# KiCad board raven.kicad_pcb (continued)
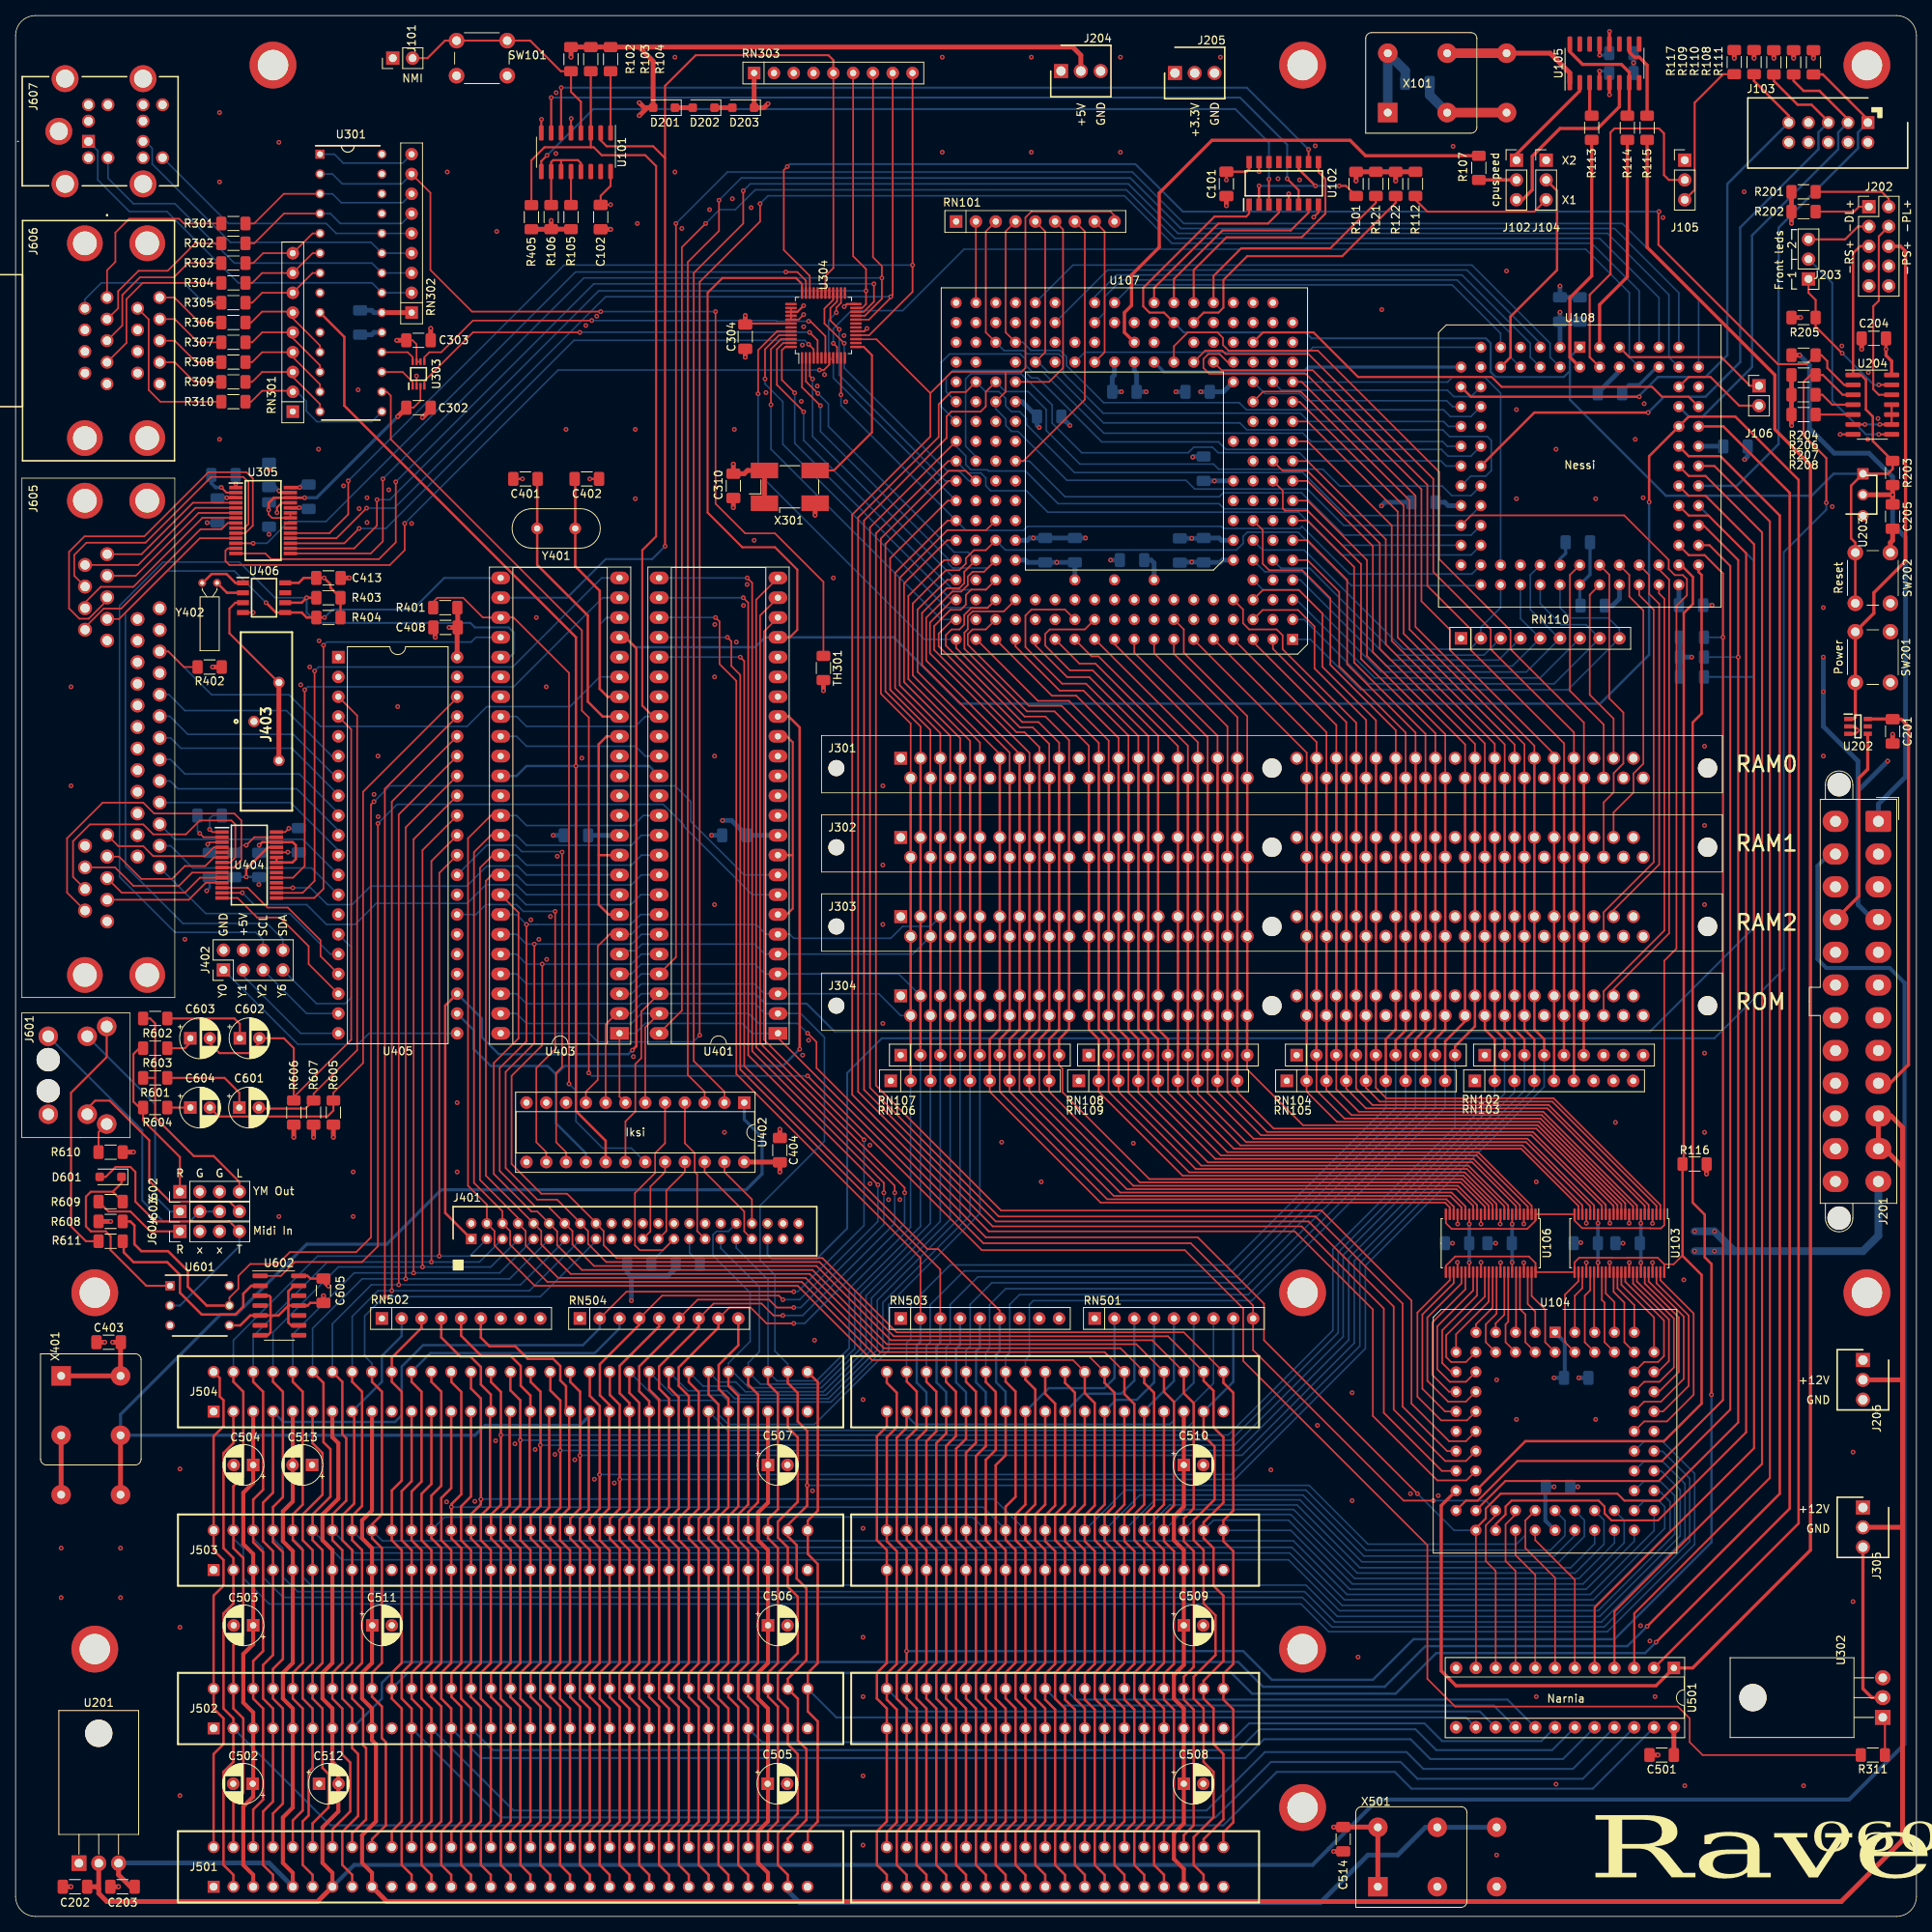
[diagram p0: board, top side]
## Routing (per net, layer and track width the routed paths; a pad name or vN(x,y) marks a point on that pad's centre or on a via; arc(x,y) is an arc through that point) (continued)
  Top w0.305: 36.26,82.17 37.46,82.17 37.81,81.83 C605.1 ; 34.59,171.07 36.32,171.07 36.96,171.7 C413.2 v1(39.57,171.7) 40.39,170.89 40.39,170.46 R403.1 R404.1 ; v1(31.24,137.41) 31.63,137.8 U404.26 35.56,137.8 35.94,137.41 35.94,135.64 35.5,135.2 U404.22 U404.23
  Top w0.406: U204.14 240.66,199.52 239.94,200.24 C204.1
  Top w0.508: J501.78 149.86,6.1 148.59,7.37 148.59,10.67 149.86,11.94 J502.78 149.86,26.67 148.59,27.94 148.59,30.99 149.86,32.26 J503.78 149.86,46.99 148.59,48.26 148.59,51.31 149.86,52.58 J504.78 ; J501.29 96.52,5.59 95.25,6.86 95.25,10.92 96.52,12.19 J502.29 96.52,26.67 95.25,27.94 95.25,31.24 96.52,32.51 J503.29 96.52,46.99 95.25,48.26 95.25,51.82 96.52,53.09 J504.29 ; J501.3 30.48,5.33 29.21,6.6 29.21,14.1 30.48,15.37 J502.3 30.48,26.16 29.21,27.43 29.21,33.66 30.48,34.93 J503.3 30.48,46.48 29.21,47.75 29.21,54.36 30.48,55.63 J504.3
  Top w0.61: R608.2 v1(12.19,89.15) ; v1(40.13,80.88) 39.5,81.51 C605.1 ; R106.1 68.7,216.43 R405.1 ; R106.1 v1(68.71,217.55) ; R106.1 R105.1 ; X501.8 X501.1 ; R401.1 56.72,167.84 C408.1 ; U301.20 RN302.1 ; v1(227.84,191.26) 227.81,191.29 R208.2 R207.2 R206.2 ; U402.24 98.01,96.77 C404.1 v1(98.04,95.5) ; D201.2 81.03,232.03 v1(80.01,231.01) ; D201.2 80.65,232.03 v1(80.01,232.66) ; D201.2 81.78,238 79.98,239.8 ; v1(48.9,202.18) C303.1 50.16,202.22 ; v1(169.09,11.46) 169.1,11.47 C514.2 174.84,11.47 174.88,11.43 ; U405.40 56.64,165.32 56.6,165.35 v1(55.63,165.35) ; 79.98,239.8 R104.1 R103.1 R102.1 v1(71.25,238.51) ; 79.98,239.8 135.61,239.8 136.65,238.76 136.65,236.6 ; R402.1 v1(25.27,160.27) ; 13.87,98.04 v1(15.12,98.04) ; C501.1 U501.24 ; X401.1 X401.8 13.46,73.62 C403.2 v1(12.45,73.66) ; v1(227.81,217.2) R202.1 R201.1 ; R205.2 v1(228.98,205.11)
  Bottom w0.305: v1(31.24,137.41) C407.1
  Bottom w0.406: C128.2 201.97,172.12 U108.43 200.66,168.24 C126.2
  Bottom w0.508: v1(197.36,69.09) C103.1 198.73,69.19 198.73,73.69 U104.1 ; v1(197.36,55.12) C104.1 196.24,55.05 196.24,50.77 U104.35
  Bottom w0.61: 78.99,82.04 83.57,82.04 84.68,83.16 R407.1 ; 78.99,82.04 v1(78.99,78.99) ; 78.99,82.04 78.46,82.58 R406.1 ; J201.4 238.26,127.88 236.35,129.79 236.35,144.4 ; U108.3 C125.2 ; C125.2 v1(198.12,205.79) ; C125.2 C127.2 ; U401.11 C405.2 91.86,140.59 v1(90.68,140.59) ; C406.2 U403.11 ; C301.2 45.68,206.03 45.97,205.74 U301.20 ; 236.35,144.4 236.35,148.21 231.9,152.65 v1(231.9,157.1) v1(231.9,161.54) ; 236.35,144.4 v1(240.16,148.21) ; R118.1 R119.1 ; R119.1 v1(215.01,161.54) ; R119.1 R120.1 ; 50.79,205.73 RN302.1
  vias: v1(239.94,201.04)
+5VL: length 52.4
  Top w0.203: 240.77,153.6 C201.1
  Top w0.406: U202.6 240.77,153.6 ; C201.1 241.9,153.58 242.82,152.65 242.82,109.25 240.45,106.88
+12V: length 378.5
  Top w0.508: J501.9 45.72,5.59 44.45,6.86 44.45,10.41 46.23,12.19 46.23,22.1 45.72,22.61 J502.9 45.72,26.67 44.45,27.94 44.45,31.24 45.72,32.51 J503.9 45.72,47.24 44.45,48.51 44.45,50.8 45.72,52.07 J504.9
  Top w0.61: 242.06,68.83 242.06,9.78 234.19,1.91 47.62,1.91 J501.9 ; 242.06,68.83 242.06,96.14 ; 242.06,68.83 J206.2 ; 242.06,96.14 242.06,101.22 240.6,102.68 J201.10 J201.11 239.72,98.48 242.06,96.14 ; 236.85,49.91 241.93,49.91
-5V: length 91.9
  Top w0.508: J504.5 35.56,53.24 34.29,51.97 34.29,48.13 35.56,46.86 J503.5 35.56,32.51 34.29,31.24 34.29,27.94 35.56,26.67 J502.5 35.56,13.97 34.29,12.7 34.29,6.86 35.56,5.59 J501.5
  Top w0.61: U201.3 13.21,5.33 14.73,3.81 C203.1
  Bottom w0.61: U201.3 13.24,6.86 32.51,6.86 J501.5
-12V: length 436.3
  Top w0.508: J504.7 40.64,61.47 41.4,60.71 41.4,53.59 39.37,51.56 39.37,48.26 40.64,46.99 J503.7 40.64,32.51 39.37,31.24 39.37,27.94 40.64,26.67 J502.7 40.64,19.81 41.4,19.05 41.4,13.46 39.37,11.43 39.37,6.86 40.64,5.59 J501.7
  Top w0.61: 10.67,3.56 10.67,2.96 11.72,1.91 38.74,1.91 J501.7 ; 10.67,3.56 U201.2 ; 10.67,3.56 10.41,3.81 C202.1
  Bottom w0.508: J201.14 232.67,136.28 231.14,134.75 231.14,122.81 232.28,121.67 240.41,121.67 242.32,119.76 242.32,22.1 235.2,14.99 174.74,14.99 168.38,8.62 168.38,8.62 166.37,6.6 43.43,6.6 J501.7
GND: length 213.3
  Top w0.203: U303.2 51.44,197.61 v1(51.43,197.61) ; v1(184.96,83.9) 184.98,83.88 U106.28 ; U103.4 209.99,88.91 v1(209.98,88.9) ; v1(207.01,83.87) 206.99,83.85 U103.39 ; v1(204.52,88.92) 204.49,88.95 U103.15 ; v1(190.5,83.87) 190.48,83.85 U106.39 ; v1(187.99,83.9) 187.98,83.89 U106.34 ; v1(206.98,88.92) 206.99,88.93 U103.10 ; U103.34 204.49,83.87 v1(204.5,83.87) ; U103.28 201.49,83.86 v1(201.5,83.87) ; U106.45 193.48,83.86 v1(193.47,83.87) ; U103.21 201.49,88.93 v1(201.5,88.93) ; U304.38 U304.39 U304.40 U304.41 100.44,204.84 v1(101.09,205.49) ; U103.45 209.99,83.86 v1(209.98,83.87) ; v1(193.48,88.84) U106.4 ; v1(190.45,88.82) 190.48,88.85 U106.10 ; U106.21 184.98,88.83 v1(184.99,88.82) ; v1(187.98,88.82) U106.15
  Top w0.254: U304.24 106.64,206.84 v1(106.3,206.5) ; U102.15 v1(159.51,223.82) ; 235.72,190.12 v1(234.06,190.12) ; U304.39 100.3,205.84 v1(101.09,206.63) ; U101.5 71.25,230.61 v1(71.27,230.63) ; U406.4 v1(30.48,167.26) ; U304.17 108.85,203.34 v1(109.22,203.71) ; v1(33.53,180.09) 33.53,180.73 34.14,181.35 U305.25 35.25,181.35 ; v1(67.46,230.53) 67.44,230.51 U101.8 ; v1(166.52,217.98) 167.13,218.59 U102.8
  Top w0.305: 36.32,75.82 35.35,75.82 34.99,76.17 34.99,78.36 ; 34.99,78.36 33.72,77.09 32.7,77.09 ; 34.99,78.36 34.99,80.2 35.69,80.9 U602.13 ; 34.99,78.36 U602.11 37.46,78.36 37.81,78.7 C605.2 ; v1(204.47,241.81) 204.46,241.8 ; 27.43,75.82 28.83,75.82 30.1,77.09 U602.5 32.7,77.09 ; C401.1 v1(65.02,184.4) ; 32.7,77.09 32.7,79.44 32.51,79.63 U602.3 ; 32.7,77.09 32.7,74.9 32.35,74.55 U602.7 ; v1(29.59,133.35) 29.59,134.37 32.37,137.15 U404.25 ; v1(163.32,220.98) U102.5 ; v1(204.47,233.68) 204.46,233.69 ; C402.1 v1(73.66,184.4)
  Top w0.406: 204.46,241.8 U105.12 ; U202.3 235.91,151.7 236.22,152.02 v1(236.22,152.15) 236.22,152.27 235.84,152.65 U202.2 ; 204.46,233.69 U105.5
  Top w0.61: TH301.2 v1(103.63,157.25) ; X401.4 X401.4 ; v1(236.82,201.04) C204.2 ; v1(39.5,79.63) C605.2 ; C101.2 v1(155.32,219.46) ; C302.1 53.25,193.33 v1(52.2,192.28) ; v1(53.85,164.08) 53.81,164.12 53.81,165.35 ; R605.2 v1(40.77,99.95) ; C201.2 v1(240.79,151.64) ; SW202.2 240.5,176.24 240.79,176.53 C205.2 ; v1(102.56,179.76) X301.2 ; C203.2 v1(13.21,3.81) ; v1(169.09,8.33) 169.1,8.34 C514.1 ; C501.2 v1(210.69,20.7) ; C310.2 v1(92.07,180.72) ; v1(76.33,216.41) 76.3,216.43 C102.2 ; v1(11.43,73.66) C403.1 ; C413.1 v1(42.82,171.7) ; C404.2 v1(98.04,100.97) ; 93.6,200.96 v1(93.6,200.03) ; C202.2 v1(7.11,3.81) ; R607.2 v1(38.23,99.95) ; R606.2 v1(35.69,99.95) ; v1(53.25,203.71) C303.2
  Top w1.219: X101.4 X101.4
  Bottom w0.203: 31.2,133.35 C407.2 ; 28.11,133.35 C410.2
  Bottom w0.305: 207.05,238.51 C111.1 207.56,238.72 ; v1(24.51,131.57) 24.89,131.95 C412.2 ; v1(31.2,132.37) 31.2,133.35 v1(29.59,133.35) 28.11,133.35
  Bottom w0.406: C128.1 198.84,174.87 198.12,174.14 U108.42
  Bottom w0.457: v1(32.51,177.29) C305.2 ; 199.86,86.44 v1(200.79,86.44) ; C307.2 v1(32.51,185.57) ; 183.36,86.36 v1(184.33,86.36) ; v1(24.56,178.79) 24.57,178.78 C309.2 ; 205.28,86.36 v1(206.2,86.36) ; 188.94,86.36 v1(189.86,86.36)
  Bottom w0.61: C301.1 45.68,202.91 45.97,203.2 U301.19 ; C406.1 v1(68.96,138.68) ; v1(198.12,209.14) C125.1 C127.1 ; v1(135.25,191.26) 134.15,192.37 C114.1 ; v1(137.25,176.82) C119.1 C115.1 v1(130.56,176.82) 130.09,176.82 129.79,176.53 U107.F15 ; U108.82 205.74,198.22 202.97,195.45 C124.1 ; 207.56,238.72 v1(207.56,237.79) C110.1 ; C122.1 175.67,181.41 v1(175.21,180.95) ; C117.1 v1(140.46,173.99) ; C126.1 204.85,168.15 205.74,169.04 U108.47 ; C412.2 C410.2 ; C120.1 v1(150.88,176.78) 152.36,176.78 C113.1 154.39,176.82 154.69,176.53 U107.F04 ; v1(145.03,195.58) C116.1 143.8,197.95 143.51,198.25 U107.Q09 ; C118.1 151.08,187.28 v1(151,187.2) ; C405.1 v1(89.28,138.68) ; C104.2 v1(200.41,55.12) ; C121.1 v1(217.63,168.2) ; C123.1 222.19,187.29 v1(221.79,186.89) ; C112.1 v1(148.84,195.58) ; C103.2 v1(200.53,69.09)
  Bottom w1.219: C108.1 181.39,233.64 X101.4
  vias: v1(5.84,47.24) v1(5.84,40.89) v1(7.11,157.73) v1(7.11,145.03) v1(13.46,47.24) v1(13.46,40.89) v1(21.08,57.4) v1(21.08,37.08) v1(21.08,15.49) v1(21.72,125.35) v1(26.16,231.39) v1(26.16,222.5) v1(26.16,189.48) v1(33.78,227.58) v1(33.78,89.79) v1(36.58,157.99) v1(37.74,160.28) v1(38.86,188.21) v1(38.93,163.64) v1(42.07,183.52) v1(43.31,95.5) v1(43.31,89.79) v1(43.94,195.83) v1(44.07,180.59) v1(45.09,181.99) v1(45.09,178.82) v1(45.97,143.94) v1(46.48,148.84) v1(46.5,141.08) v1(47.88,183.01) v1(49.02,155.19) v1(50.8,178.69) v1(55.29,53.18) v1(55.37,223.77) v1(56.64,104.39) v1(56.64,95.5) v1(58.91,53.25) v1(61.57,61.02) v1(61.72,216.15) v1(64.06,60.63) v1(66.1,127.85) v1(66.65,59.89) v1(66.8,166.62) v1(67.13,125.33) v1(68.07,157.73) v1(68.13,122.77) v1(68.61,128.27) v1(69.19,59.26) v1(69.35,233.95) v1(69.3,226.15) v1(69.49,136) v1(70.61,190.75) v1(71.73,58.58) v1(72.64,148.59) v1(73.15,204.09) v1(74.25,56.08) v1(74.55,205.28) v1(76.8,55.6) v1(79.25,110.3) v1(79.5,190.75) v1(79.5,181.86) v1(79.76,217.17) v1(84.58,238.51) v1(84.58,223.77) v1(85.47,216.54) v1(89.03,218.95) v1(89.69,165.74) v1(89.66,159) v1(89.66,148.84) v1(89.66,129.79) v1(90.93,100.58) v1(91.95,220.35) v1(92.2,190.75) v1(92.46,163.47) v1(93.38,168.17) v1(93.84,170.86) v1(94.36,219.2) v1(94.74,176.53) v1(96.27,195.48) v1(100.79,194.36) v1(100.93,201.58) v1(100.97,110.49) v1(101.09,203.93) v1(101.73,112.4) v1(102.23,54.6) v1(102.49,73.91) v1(102.84,196.31) v1(103.77,197.78) v1(104.9,171.7) v1(106.27,202.79) v1(106.49,194.31) v1(108.71,66.29) v1(108.71,49.78) v1(108.71,35.81) v1(108.71,28.19) v1(108.71,18.03) v1(108.71,9.14) v1(109.6,98.93) v1(109.62,94) v1(111.25,145.03) v1(111.25,134.87) v1(111.25,127.25) v1(111.25,114.55) v1(111.98,91.95) v1(113.44,91.95) v1(118.87,238.51) v1(118.87,226.31) v1(126.49,99.31) v1(130.3,238.51) v1(130.3,226.31) v1(131.57,94.23) v1(141.73,238.51) v1(141.73,226.31) v1(143.38,99.19) v1(154.56,238.51) v1(161.04,57.28) v1(161.95,222.91) v1(164.72,222.76) v1(166.73,227.13) v1(167,62.99) v1(171.45,67.18) v1(171.45,53.34) v1(172.21,33.27) v1(175.26,206.12) v1(178.94,54.23) v1(182.5,53.98) v1(184.4,227.08) v1(189.99,68.83) v1(189.99,7.87) v1(191.26,211.07) v1(192.53,193.29) v1(192.53,181.86) v1(192.53,63.75) v1(195.07,94.23) v1(195.07,28.19) v1(197.61,188.21) v1(197.61,16.96) v1(202.69,181.86) v1(202.69,63.75) v1(205.23,101.85) v1(207.77,189.48) v1(208.45,37.29) v1(208.79,181.99) v1(208.91,194.06) v1(209.65,35.33) v1(210.31,28.19) v1(211.33,217.93) v1(214,81.66) v1(214.12,16.76) v1(216.66,150.11) v1(216.66,139.95) v1(216.66,129.79) v1(216.66,110.74) v1(216.66,100.58) v1(221.74,221.23) v1(229.36,16.76) v1(231.9,167.89) v1(231.9,148.84) v1(233.04,180.85) v1(234.28,201.46) v1(235.71,59.56) v1(235.71,40.39) v1(237.6,189.49) v1(237.67,198.06) v1(238.91,192.16) v1(239.52,5.33)
68150:CLK: length 268.9
  Top w0.406: U104.24 182.88,52.71 182.88,31.5 184.78,29.59 210.44,29.59 U501.1 215.14,31.88 230.25,46.99 230.25,186.18 225.68,190.75 225.68,197.74 209.3,214.12 209.3,227.9
68150:LR~{W}: length 18.7
  Top w0.203: U501.8 194.94,43.82 192.41,46.36 U104.31
68150:R~{W}: length 172.9
  Top w0.203: v1(181.86,53.34) 178.05,53.34 158.75,72.64 RN501.9 158.75,78.36 150.75,86.36 124.14,86.36 97.79,112.71 U401.1 ; U104.30 189.86,51.44 188.59,50.17 188.59,45.59 189.86,44.32 U501.10 ; U402.7 77.47,105.16 U403.1
  Bottom w0.203: U104.30 188.59,53.34 v1(181.86,53.34) ; U403.1 79.5,113.28 80.77,114.55 93.22,114.55 94.49,113.28 U401.1
68150:UR~{W}: length 21.8
  Top w0.203: 191.9,52.07 U104.32 192.41,51.56 191.13,50.29 191.13,45.59 192.41,44.32 U501.9
68150:~{CS}: length 180.7
  Top w0.203: 211.49,83.66 210.65,84.5 206.75,84.5 206.73,84.48 204.78,84.48 204.76,84.5 200.58,84.5 199.99,83.91 U103.25 U106.48 194.98,83.81 194.13,84.66 184.68,84.66 183.48,83.46 U106.25 ; 211.49,83.66 212.69,83.66 213.84,84.81 213.84,85.32 ; 211.49,83.66 U103.48
  Top w0.305: U108.55 213.64,173.36 215.16,171.83 215.16,168.36 214,167.2 214,96.67 R116.2 213.84,84.74 216.28,82.3 216.28,65.79 211.45,60.96 193.67,60.96 U104.25
68150:~{DSACK0}: length 151.4
  Top w0.254: U104.28 191.11,55.85 210.79,55.85 219.96,65.02 219.96,173.23 217.3,175.9 215.9,175.9
68150:~{DSACK1}: length 164.9
  Top w0.254: U104.29 189.86,50.29 191.13,51.56 191.13,52.58 191.9,53.34 203.07,53.34 203.83,52.58 203.83,51.69 204.72,50.8 210.69,50.8 222,62.1 222,174.88 217.17,179.71 214.63,179.71 U108.61
68150:~{DS}: length 351.1
  Top w0.203: U402.6 80.77,114.04 U401.47 ; U104.27 U501.11 ; v1(101.6,113.28) 101.62,113.28 102.74,112.16 102.74,108.84 124.46,87.12 151.64,87.12 160.15,78.61 160.15,73.91 v1(179.83,54.23)
  Top w0.254: U108.58 216.53,178.44 220.98,173.99 220.98,63.37 210.95,53.34 206.38,53.34 205.49,54.23 190.5,54.23 188.59,52.32 188.59,51.05 187.32,49.78 U104.27
  Bottom w0.203: v1(220.98,161.54) R119.2 ; v1(101.6,113.28) 100.33,114.55 95.32,114.55 94.05,115.82 U401.47 80.27,115.82 78.99,114.54 65.54,114.54 64.26,115.82 U403.47 ; U104.27 184.53,49.53 v1(179.83,54.23)
68150:~{TA}: length 155.7
  Top w0.254: 213.36,175.9 214.63,174.63 216.66,174.63 219.02,172.26 219.02,66.24 211.2,58.42 192.66,58.42 187.58,53.34 186.05,53.34 U104.26
  Bottom w0.203: v1(219.02,164.08) R118.2
/ICLK_X1_2: length 15.4
  Top w0.406: U105.16 199.38,239.21 201.01,237.58 205.99,237.58 207,236.57 U105.7 207,231.25 R114.2
/ICLK_X1_3: length 10.5
  Top w0.406: U105.10 207,239.18 207.67,238.51 208.28,238.51 209.3,237.49 R115.2
/ICLK_X2_2: length 4.3
  Top w0.406: U105.3 201.92,231.26 R113.2
/ISA/ISA:AEN: length 94.2
  Top w0.305: J501.42 50.8,10.92 52.07,12.19 52.07,26.67 50.8,27.94 J502.42 50.8,31.24 52.07,32.51 52.07,46.99 50.8,48.26 50.8,54.51 52.07,55.78 52.07,67.31 50.8,68.58 J504.42
  Bottom w0.305: 77.47,76.53 77.47,75.44 74.29,72.26 53.21,72.26 J504.42
/ISA/ISA:DACK0: length 85
  Top w0.305: J504.70 129.54,52.83 128.27,51.56 128.27,48.26 129.54,46.99 J503.70 129.54,32.51 128.27,31.24 128.27,27.94 129.54,26.67 J502.70 129.54,12.19 128.27,10.92 128.27,6.6 129.54,5.33 J501.70
  Bottom w0.305: J504.70 132.54,67.77 139.67,67.77 140.97,69.06 RN501.2
/ISA/ISA:DACK1: length 81.9
  Top w0.305: RN502.5 57.15,74.5 59.79,71.86 63.55,71.86 64.8,70.61 64.8,68.07 66.04,66.83 J504.17 65.94,64.67 65.94,52.53 64.77,51.36 64.77,48.26 66.04,46.99 J503.17 66.04,32.51 64.77,31.24 64.77,27.94 66.04,26.67 J502.17 66.04,12.19 64.77,10.92 64.77,6.6 66.04,5.33 J501.17
/ISA/ISA:DACK2: length 142.1
  Top w0.305: J501.26 88.9,5.33 87.63,6.6 87.63,10.92 88.9,12.19 J502.26 88.9,26.67 87.63,27.94 87.63,31.24 88.9,32.51 J503.26 88.9,46.99 87.63,48.26 87.63,51.05 88.9,52.32 J504.26
  Bottom w0.203: J504.26 91.31,62.36 149.99,62.36 151.13,63.5 151.13,65.85 153.67,68.39 RN501.7
/ISA/ISA:DACK3: length 79.4
  Top w0.305: RN502.4 54.61,74.27 57.05,71.83 58.34,71.83 59.69,70.49 59.69,68.22 60.96,66.95 J504.15 60.86,64.67 60.86,52.6 59.69,51.44 59.69,48.26 60.96,46.99 J503.15 60.96,32.51 59.69,31.24 59.69,27.94 60.96,26.67 J502.15 60.96,12.19 59.69,10.92 59.69,6.6 60.96,5.33 J501.15
/ISA/ISA:DACK5: length 82.6
  Top w0.305: J504.72 134.62,52.83 133.35,51.56 133.35,48.26 134.62,46.99 J503.72 134.62,32.51 133.35,31.24 133.35,27.94 134.62,26.67 J502.72 134.62,12.19 133.35,10.92 133.35,6.6 134.62,5.33 J501.72
  Bottom w0.305: J504.72 134.7,64.77 136.98,67.06 141.83,67.06 143.51,68.73 RN501.3
/ISA/ISA:DACK6: length 80.2
  Top w0.305: J504.74 139.7,52.83 138.43,51.56 138.43,48.26 139.7,46.99 J503.74 139.7,32.51 138.43,31.24 138.43,27.94 139.7,26.67 J502.74 139.7,12.19 138.43,10.92 138.43,6.6 139.7,5.33 J501.74
  Bottom w0.305: RN501.4 146.05,68.5 143.81,66.27 141.17,66.27 139.7,64.8 J504.74
/ISA/ISA:DACK7: length 77.6
  Top w0.305: J501.76 144.78,5.33 143.51,6.6 143.51,10.92 144.78,12.19 J502.76 144.78,26.67 143.51,27.94 143.51,31.24 144.78,32.51 J503.76 144.78,46.99 143.51,48.26 143.51,51.56 144.78,52.83 J504.76
  Bottom w0.305: J504.76 144.78,64.87 148.59,68.68 RN501.5
/ISA/ISA:DRQ0: length 64.1
  Top w0.305: J501.71 132.08,5.33 130.81,6.6 130.81,10.92 132.08,12.19 J502.71 132.08,26.67 130.81,27.94 130.81,31.24 132.08,32.51 J503.71 132.08,46.99 130.81,48.26 130.81,51.56 132.08,52.83 J504.71
/ISA/ISA:DRQ1: length 64.1
  Top w0.305: J501.18 68.58,5.33 67.31,6.6 67.31,10.92 68.58,12.19 J502.18 68.58,26.67 67.31,27.94 67.31,31.24 68.58,32.51 J503.18 68.58,46.99 67.31,48.26 67.31,51.31 68.45,52.45 68.45,64.64 J504.18
/ISA/ISA:DRQ2: length 65.2
  Top w0.305: J501.6 38.1,5.33 36.83,6.6 36.83,12.19 37.59,12.95 37.59,18.54 38.1,19.05 J502.6 38.1,26.67 36.83,27.94 36.83,31.24 38.1,32.51 J503.6 38.1,46.99 36.83,48.26 36.83,51.56 39.37,54.1 39.37,59.44 38.1,60.71 J504.6
/ISA/ISA:DRQ3: length 64.1
  Top w0.305: J504.16 63.37,64.64 63.37,52.71 62.23,51.56 62.23,48.26 63.5,46.99 J503.16 63.5,32.51 62.23,31.24 62.23,27.94 63.5,26.67 J502.16 63.5,12.19 62.23,10.92 62.23,6.6 63.5,5.33 J501.16
/ISA/ISA:DRQ5: length 64.1
  Top w0.305: J504.73 137.16,52.83 135.89,51.56 135.89,48.26 137.16,46.99 J503.73 137.16,32.51 135.89,31.24 135.89,27.94 137.16,26.67 J502.73 137.16,12.19 135.89,10.92 135.89,6.6 137.16,5.33 J501.73
/ISA/ISA:DRQ6: length 64.1
  Top w0.305: J504.75 142.24,52.83 140.97,51.56 140.97,48.26 142.24,46.99 J503.75 142.24,32.51 140.97,31.24 140.97,27.94 142.24,26.67 J502.75 142.24,12.19 140.97,10.92 140.97,6.6 142.24,5.33 J501.75
/ISA/ISA:DRQ7: length 64.1
  Top w0.305: J504.77 147.32,52.83 146.05,51.56 146.05,48.26 147.32,46.99 J503.77 147.32,32.51 146.05,31.24 146.05,27.94 147.32,26.67 J502.77 147.32,12.19 146.05,10.92 146.05,6.6 147.32,5.33 J501.77
/ISA/ISA:IOCHK: length 64.1
  Top w0.305: J504.32 26.19,69.06 26.19,66.7 26.67,66.22 26.67,62.87 25.4,61.6 25.4,46.99 26.67,45.72 26.67,42.42 25.4,41.15 J502.32 25.4,26.67 26.67,25.4 26.67,22.1 25.4,20.83 J501.32
/ISA/ISA:IRQ6: length 78.7
  Top w0.305: J501.22 78.74,5.33 77.47,6.6 77.47,10.92 78.74,12.19 J502.22 78.74,26.67 77.47,27.94 77.47,31.24 78.74,32.51 J503.22 78.74,46.99 77.47,48.26 77.47,50.88 78.74,52.15 J504.22 78.74,65.86 77.5,67.11 77.5,70.64 82.55,75.69 RN504.5
/ISA/ISA:IRQ12: length 76.8
  Top w0.305: J501.67 121.92,5.33 120.65,6.6 120.65,10.92 121.92,12.19 J502.67 121.92,26.67 120.65,27.94 120.65,31.24 121.92,32.51 J503.67 121.92,46.99 120.65,48.26 120.65,59.99 121.92,61.26 J504.67
  Bottom w0.305: J504.67 121.92,67.25 120.65,68.52 120.65,72.8 121.16,73.3 RN503.4
/ISA/ISA:IRQ13: length 76.8
  Top w0.305: J504.68 124.46,60.33 123.19,59.06 123.19,48.26 124.46,46.99 J503.68 124.46,32.51 123.19,31.24 123.19,27.94 124.46,26.67 J502.68 124.46,12.19 123.19,10.92 123.19,6.6 124.46,5.33 J501.68
  Bottom w0.305: RN503.5 123.7,72.97 123.22,72.49 123.22,68.5 124.46,67.26 J504.68
/ISA/ISA:MASTER: length 81.1
  Top w0.305: J504.79 152.4,61.67 153.8,60.27 153.8,53.47 151.13,50.8 151.13,48.26 152.4,46.99 J503.79 152.4,40.13 153.92,38.61 153.92,33.53 151.13,30.73 151.13,27.94 152.4,26.67 J502.79 152.4,19.81 153.67,18.54 153.67,12.7 151.13,10.16 151.13,6.6 152.4,5.33 J501.79
  Bottom w0.305: J504.79 156.21,68.58 RN501.8
/ISA/ISA:MEMCS16: length 64.1
  Top w0.305: J501.63 111.76,5.33 110.49,6.6 110.49,10.92 111.76,12.19 J502.63 111.76,26.67 110.49,27.94 110.49,31.24 111.76,32.51 J503.63 111.76,46.99 110.49,48.26 110.49,61.57 111.76,62.84 J504.63
/ISA/ISA:OSC: length 163.3
  Top w0.305: J504.30 99.06,62.74 100.33,61.47 100.33,53.19 97.79,50.65 97.79,48.59 99.06,47.32 J503.30 99.06,42.29 100.33,41.02 100.33,33.78 97.79,31.24 97.79,27.94 99.06,26.67 J502.30 99.06,22.1 100.33,20.83 100.33,13.21 97.79,10.67 97.79,6.6 99.06,5.33 J501.30
  Bottom w0.61: 99.06,3.78 99.06,3.28 100.56,1.78 167.39,1.78 173.48,7.87 177.29,7.87 180.85,11.43 X501.5 X501.5
/ISA/ISA:REFRESH: length 84.6
  Top w0.305: RN502.6 59.69,74.24 60.78,73.15 64.08,73.15 65.71,71.53 68.96,71.53 69.88,70.61 69.88,68.76 70.61,68.02 70.61,65.28 J504.19 71.02,64.67 71.02,52.37 69.85,51.21 69.85,48.26 71.12,46.99 J503.19 71.12,32.51 69.85,31.24 69.85,27.94 71.12,26.67 J502.19 71.12,12.19 69.85,10.92 69.85,6.6 71.12,5.33 J501.19
/ISA/ISA:TC: length 77.6
  Top w0.305: RN504.9 92.71,73.25 90.2,70.74 90.2,67.67 91.44,66.42 J504.27 91.44,52.5 90.17,51.23 90.17,48.26 91.44,46.99 J503.27 91.44,32.51 90.17,31.24 90.17,27.94 91.44,26.67 J502.27 91.44,12.19 90.17,10.92 90.17,6.6 91.44,5.33 J501.27
/Local16/IDE:IRQ: length 18.6
  Top w0.203: 88.45,86.9 87.43,87.92 87.43,95.19 87.12,95.5 87.12,97.92 85.85,99.19 U402.4
/Local16/IDE:~{CS0}: length 12.4
  Top w0.203: 94.45,86.9 93.47,87.88 93.47,90.42 88.39,95.5 U402.22
/Local16/IDE:~{CS1}: length 9.6
  Top w0.203: U402.23 90.93,95.5 94.45,91.98 94.45,88.65 94.45,88.65
/Local16/IDE:~{RDY}: length 30.2
  Top w0.203: U402.5 83.31,99.19 82.04,97.92 82.04,95.38 79.45,92.79 79.45,86.09 80.07,85.47 83.02,85.47 J401.27
  Bottom w0.203: R406.2 81.56,83.97 84.45,86.87 J401.27 84.45,86.9
/Local16/IDE:~{RD}: length 11.3
  Top w0.203: U402.21 85.85,95.5 83.47,93.13 83.47,87.92 82.45,86.9
/Local16/IDE:~{WR}: length 11.1
  Top w0.203: 80.45,86.9 81.43,87.88 81.43,93.63 83.31,95.5 U402.20
/Local16/MFP1:CD: length 72.1
  Top w0.203: v1(37.08,157.35) 37.08,134.75 35.59,133.25 U404.19
  Bottom w0.203: v1(37.08,157.35) 37.46,157.73 63.88,157.73 75.31,169.16 U403.23
/Local16/MFP1:CTS: length 76.5
  Top w0.203: v1(38.35,159.77) 38.35,132.84 36.81,131.3 U404.16
  Bottom w0.203: U403.24 75.18,171.7 63.75,160.27 38.86,160.27 v1(38.35,159.77)
/Local16/MFP1:RI: length 60.9
  Top w0.203: v1(39.5,163.07) 39.5,131.83 38.32,130.65 U404.15
  Bottom w0.203: U403.28 59.05,164.08 58.45,163.48 39.91,163.48 v1(39.5,163.07)
/Local16/MFP1:SI: length 47.4
  Top w0.203: v1(35.56,131.95) 33.47,131.95
  Bottom w0.203: U403.9 65.53,133.6 64.39,134.75 60.45,134.75 57.87,132.17 45.55,132.17 43.18,129.79 40.01,129.79 37.85,131.95 v1(35.56,131.95)
/Local16/MFP1:SO: length 55.3
  Top w0.203: v1(29.08,131.32) 29.06,131.3 U404.13
  Bottom w0.203: U403.8 65.53,131.06 64.26,132.33 60.32,132.33 57.95,129.96 46.27,129.96 43.56,127.25 39.88,127.25 37.34,129.79 30.61,129.79 v1(29.08,131.32)
/Local16/MFP1:~{IEO}: length 21.4
  Bottom w0.203: U401.34 80.77,148.84 79.5,150.11 65.53,150.11 64.26,151.38 U403.33
/Local16/YM:BC1: length 56
  Top w0.203: v1(70.1,136.53) 70.1,108.97 69.34,108.2 69.34,99.31 70.61,98.04 U402.15
  Bottom w0.203: U405.29 60.45,137.41 64.13,137.41 64.95,136.6 70.03,136.6 v1(70.1,136.53)
/Local16/YM:BDIR: length 47.1
  Top w0.203: U402.14 68.07,98.04 66.8,99.31 66.8,108.84 69.22,111.25 v1(69.22,128.93)
  Bottom w0.203: U405.27 59.05,128.52 60.32,129.79 64.26,129.79 65.13,128.93 v1(69.22,128.93)
/Local16/YM:DTR: length 20.7
  Top w0.203: 26.47,131.95 29.79,131.95 32.32,129.41 34.92,129.41 39.12,125.22 39.12,123.19 U405.17
/Local16/YM:IOA0: length 34.5
  Bottom w0.203: J402.1 36.2,111.89 43.94,111.89 45.34,113.28 U405.21
/Local16/YM:IOA1: length 16
  Bottom w0.203: J402.3 29.21,120.65 36.58,113.28 U405.20
/Local16/YM:IOA2: length 12
  Bottom w0.203: J402.5 37.34,115.82 U405.19
/Local16/YM:IOA6: length 19.7
  Bottom w0.203: U405.15 43.05,124.33 43.05,117.86 42.29,117.09 38.61,117.09 J402.7
/Local16/YM:RTS: length 21.4
  Top w0.203: U405.18 37.59,122.17 37.59,124.46 33.91,128.14 30.99,128.14 28.48,130.65 U404.14
/Local32/UART1:CDB: length 134.2
  Top w0.203: U305.19 40.25,177.45 42.67,179.87 v1(42.67,184.15) ; U304.16 109.49,202.84 115.06,208.41 RN303.9
  Bottom w0.203: v1(42.67,184.15) 70.36,211.84 v1(115.06,211.84)
/Local32/UART1:CTSB: length 121.3
  Top w0.203: U305.16 43.44,175.5 46.35,178.41 v1(46.35,181.74) ; U304.23 108.61,206.34 109.09,206.82 v1(109.09,208.53) 109.09,211.33 107.44,212.98 RN303.6
  Bottom w0.203: v1(46.35,181.74) 48.01,181.74 74.8,208.53 v1(109.09,208.53)
/Local32/UART1:DSRB: length 124.4
  Top w0.203: RN303.8 112.52,208.03 v1(112.27,207.77) 112.27,207.65 109.46,204.84 U304.20 ; U305.18 41.16,176.8 v1(45.02,180.66)
  Bottom w0.203: v1(45.02,180.66) 48.58,180.66 75.69,207.77 v1(112.27,207.77)
/Local32/UART1:DTRB: length 89.6
  Top w0.203: v1(30.48,176.15) 30.48,176.15 U305.12 ; U304.35 101.38,209.84 100.28,210.95 v1(98.81,210.95)
  Bottom w0.203: v1(30.48,176.15) 32.25,176.15 35.04,178.94 39.81,178.94 71.82,210.95 v1(98.81,210.95)
/Local32/UART1:RIB: length 128.9
  Top w0.203: U305.15 45.56,174.85 47.12,176.4 v1(47.12,184.4) ; U304.21 108.95,205.34 111.12,207.52 111.12,211.71 109.98,212.85 RN303.7
  Bottom w0.203: v1(111.12,210.19) 72.9,210.19 v1(47.12,184.4)
/Local32/UART1:RTSB: length 106.5
  Top w0.203: U305.14 32.04,174.85 32.77,174.12 46.61,174.12 48.77,176.28 v1(48.77,184.02) ; v1(110.11,209.42) 110.11,207.14 108.81,205.84 U304.22
  Bottom w0.203: v1(110.11,209.42) 74.17,209.42 v1(48.77,184.02)
/Local32/UART1:RXB: length 79.5
  Top w0.203: v1(101.73,201.68) 102.38,201.02 U304.4 ; U305.17 42.16,176.15 v1(44.07,178.05)
  Bottom w0.203: v1(101.73,201.68) 101.22,202.18 71.63,202.18 47.5,178.05 v1(44.07,178.05)
/Local32/UART1:TXB: length 94
  Top w0.203: U304.8 104.38,199.07 103.68,198.37 v1(103.12,198.37) ; v1(49.91,178.69) 49.91,175.26 48.01,173.36 27.43,173.36 26.92,173.86 26.92,175.2 27.21,175.5 U305.13
  Bottom w0.203: v1(103.12,198.37) 69.6,198.37 v1(49.91,178.69)
/Local32/UART1_CLK: length 21.7
  Top w0.254: U304.13 108.79,201.34 109.85,200.28 109.85,190.37 104.97,185.49 X301.3
